# Allegro board BeagleBone AI -64_PCB_V1.02_211119.brd (continued)
## Copper pours and planes (outline as drawn; the poured copper is in the pictures) (continued)
VDA_PLL_1V8 on L8-PWR/GND: -9.77,64.57 -11.22,66.02 -25.95,66.02 -38.27,53.7 -38.27,36.17 -39.11,35.33 -43.33,35.33 -44.55,36.55 -44.55,58.6 -30.55,72.59 -11.96,72.59 -7.94,68.58 -7.94,64.92 -8.3,64.57
VDA_PLL_1V8 on L12-SIGNAL: -12.99,48.52 -12.99,53.22 -12.13,54.08 -10,54.08 -9.77,53.86 -9.77,48.67 -9.92,48.52
VDA_USB_3V3 on TOP: 33.86,24.06 33.86,23.37 34.04,23.19 34.6,23.19 34.73,23.32 34.73,23.7 34.98,23.95 35.31,23.95 35.44,24.08 35.44,24.28 35.34,24.39 34.19,24.39
VSYS_3V3 on TOP: 38.21,29.59 38.21,31.04 37.78,31.47 37.78,32.77 37.6,32.95 36.84,32.95 36.63,32.74 36.63,31.24 36.94,30.94 37.62,30.94 37.93,30.63 37.93,29.59 37.98,29.54 38.16,29.54
VSYS_3V3 on TOP: 16.24,10.62 17.02,10.62 17.28,10.36 17.28,7.77 17.05,7.55 16.39,7.55 16.08,7.85 16.08,9.55 15.93,9.7 15.93,10.31
VSYS_3V3 on TOP: 17.51,24.61 17.02,24.61 16.77,24.36 16.77,23.88 16.47,23.57 14.69,23.57 14.2,23.09 14.2,22.48 13.98,22.25 12.96,22.25 12.83,22.12 12.83,21.34 12.91,21.26 14.89,21.26 16.08,22.46 17.05,22.46 17.53,22.94 17.91,22.94 18.12,23.14 18.12,24.56 18.07,24.61 17.91,24.61 17.89,24.59 17.89,24.06 17.84,24 17.63,24 17.58,24.06 17.58,24.54
VSYS_3V3 on TOP: 40.27,57.58 40.27,59.03 39.83,59.46 39.83,60.76 39.66,60.94 38.89,60.94 38.69,60.73 38.69,59.23 39,58.93 39.68,58.93 39.99,58.62 39.99,57.58 40.04,57.53 40.21,57.53
VSYS_3V3 on TOP: 44.84,25.78 44.05,25.78 43.97,25.71 43.97,25.58 44.05,25.5 46.01,25.5 46.39,25.12 47.3,25.12 47.53,25.35 47.53,26.24 47.4,26.37 45.42,26.37
VSYS_3V3 on TOP: 42.63,22.1 42.5,22.1 42.42,22.02 42.42,21.49 42.25,21.31 42.25,20.45 42.4,20.3 42.4,18.9 42.55,18.75 43.36,18.75 43.52,18.9 43.52,20.3 42.7,21.11 42.7,22.02
VSYS_3V3 on TOP: 44.48,57.56 44.48,58.6 44.15,58.93 44.15,60.66 44.28,60.78 45.12,60.78 45.29,60.61 45.29,59.08 44.76,58.55 44.76,57.56 44.68,57.48 44.56,57.48
VSYS_3V3 on TOP: 30.41,16.13 30.21,15.93 30.21,13.95 30.41,13.74 32.11,13.74 32.29,13.92 32.29,15.95 32.11,16.13
VSYS_3V3 on TOP: 44.68,50.09 44.56,50.09 44.48,50.01 44.48,49.48 44.3,49.3 44.3,48.44 44.46,48.29 44.46,46.89 44.61,46.74 45.42,46.74 45.57,46.89 45.57,48.29 44.76,49.1 44.76,50.01
VSYS_3V3 on TOP: 35.57,39.68 38.92,39.68 39.12,39.47 39.12,38.3 38.92,38.1 37.06,38.1 36.89,38.28 36.89,38.97 37.09,39.17 37.62,39.17 37.67,39.22 37.67,39.37 37.6,39.45 35.54,39.45 35.49,39.5 35.49,39.6
VSYS_3V3 on TOP: 46.89,53.77 46.11,53.77 46.03,53.7 46.03,53.57 46.11,53.49 48.06,53.49 48.44,53.11 49.36,53.11 49.59,53.34 49.59,54.23 49.46,54.36 47.48,54.36
VSYS_3V3 on TOP: -21.3,17.93 -21.61,17.93 -21.74,17.81 -21.74,16.46 -21.46,16.18 -20.77,16.18 -20.49,16.46 -20.49,17.1 -20.69,17.3 -20.69,17.88 -20.75,17.93 -20.85,17.93 -20.9,17.88 -20.9,17.32 -20.92,17.3 -21.18,17.3 -21.2,17.32 -21.2,17.83
VSYS_3V3 on TOP: 39.66,46.76 38.79,46.76 38.56,46.99 38.56,48.26 38.89,48.59 39.35,48.59 39.99,49.23 39.99,50.12 40.06,50.19 40.19,50.19 40.27,50.12 40.27,49.51 40.47,49.3 40.47,48.87 39.83,48.24 39.83,46.94
VSYS_3V3 on TOP: 42.42,29.59 42.42,30.63 42.09,30.96 42.09,32.69 42.22,32.82 43.06,32.82 43.24,32.64 43.24,31.12 42.7,30.58 42.7,29.59 42.63,29.52 42.5,29.52
VSYS_3V3 on TOP: 37.6,18.75 36.73,18.75 36.51,18.98 36.51,20.25 36.84,20.58 37.29,20.58 37.93,21.21 37.93,22.1 38,22.18 38.13,22.18 38.21,22.1 38.21,21.49 38.41,21.29 38.41,20.85 37.78,20.22 37.78,18.92
VSYS_3V3 on BOTTOM: 39.66,46.74 38.06,46.74 37.67,47.12 37.67,50.83 37.47,51.03 37.14,51.03 36.99,51.18 36.99,51.54 37.14,51.69 37.34,51.69 37.52,51.87 37.52,56.64 38,57.13 38.89,57.13 39.1,56.92 39.1,55.86 39.2,55.75 39.2,49.35 39.33,49.23 40.01,49.23 40.21,49.02 40.21,48.46 39.88,48.13 39.88,46.97
VSYS_3V3 on BOTTOM: 45.35,57.91 45.35,60.71 45.17,60.89 44.41,60.89 44.2,60.68 44.2,58.68 44.76,58.12 44.76,57.81 44.86,57.71 45.14,57.71
VSYS_3V3 on BOTTOM: 42.48,18.95 42.48,20.37 42.25,20.6 42.25,22.33 43.77,23.85 45.02,23.85 45.29,24.13 45.29,24.82 44.81,25.3 44.81,26.16 45.02,26.37 47.48,26.37 47.78,26.06 47.78,19.48 46.84,18.54 42.88,18.54
VSYS_3V3 on BOTTOM: 36.63,39.68 38.89,39.68 39.15,39.42 39.15,38.2 38.92,37.97 36.63,37.97 36.33,38.28 36.33,39.37
VSYS_3V3 on BOTTOM: -19.86,15.17 -20.42,15.17 -20.49,15.09 -21,15.09 -21.66,15.75 -21.66,16.66 -21.46,16.87 -20.36,16.87 -20.16,16.66 -20.16,16.16 -19.7,15.7 -19.7,15.32
VSYS_3V3 on BOTTOM: -31.54,48.74 -32.4,48.74 -32.76,49.1 -32.76,50.93 -32.48,51.21 -32.48,52 -32.25,52.22 -31.82,52.22 -31.24,51.64 -31.24,49.05
VSYS_3V3 on BOTTOM: 42.3,32.87 43.52,32.87 43.77,32.62 43.77,31.24 43.11,30.58 42.6,30.58 42.09,31.09 42.09,32.67
VSYS_3V3 on BOTTOM: 32.67,13.72 32.67,16.54 32.24,16.97 30.54,16.97 30.21,16.64 30.21,13.69 30.49,13.41 32.37,13.41
VSYS_3V3 on BOTTOM: 37.6,18.8 36.53,18.8 36.4,18.92 36.4,19.81 35.69,20.52 35.69,22.94 35.52,23.12 35.08,23.12 34.8,23.39 34.8,24.44 35.24,24.87 35.24,32.51 35.69,32.97 37.52,32.97 37.73,32.77 37.73,30.66 36.56,29.49 36.56,24.97 36.73,24.79 36.73,23.95 36.58,23.8 36.58,21.34 36.76,21.16 38.26,21.16 38.44,20.98 38.44,20.83 37.8,20.19 37.8,19
VSYS_3V3 on L3-SIGNAL: 35.34,25.99 44.02,25.99 44.51,26.47 47.45,26.47 47.86,26.06 47.86,17.76 46.69,16.59 37.47,16.59 33.66,12.78 30.18,12.78 29.7,13.26 29.7,15.83 31.83,17.96 41.18,17.96 41.79,18.57 41.79,20.27 40.21,21.85 35.49,21.85 34.73,22.61 34.73,25.38
VSYS_3V3 on L3-SIGNAL: -15.92,66.22 -18.23,66.22 -19.53,67.51 -19.53,72.26 -19.22,72.57 -17.27,72.57 -16.81,72.11 -16.81,70.46 -15.67,69.32 -15.67,66.47
VSYS_3V3 on L7-PWR/GND: -26.08,74.73 20.15,74.73 20.89,73.99 20.89,69.5 22.28,68.1 53.42,68.1 53.6,67.92 53.6,26.57 52.25,25.22 46.39,25.22 43.62,27.99 37.34,27.99 36.56,28.78 36.56,32.59 36.84,32.87 45.95,32.87 46.49,33.4 46.49,36.73 45.19,38.03 36.43,38.03 34.8,39.65 34.8,52.45 36.28,53.93 47.33,53.93 47.76,54.36 49.41,54.36 49.56,54.21 49.56,53.34 50.3,52.6 52.08,52.6 52.66,53.19 52.66,56.29 50.45,58.5 24.39,58.5 23.93,58.95 23.93,61.09 22.23,62.79 18.8,62.79 12.88,68.71 -0.65,68.71 -3.07,71.12 -14.83,71.12 -22.85,63.1 -22.85,30.41 -15.08,22.63 13.29,22.63 13.85,23.19 16.69,23.19 24.09,15.8 35.9,15.8 36.79,16.69 36.79,20.09 37.8,21.11 39.07,21.11 39.88,20.3 41.18,20.3 42.09,21.21 43.16,21.21 43.9,20.47 43.9,12.4 42.4,10.9 8.46,10.9 3.21,16.16 -25.06,16.16 -30.5,21.59 -30.5,28.2 -39.87,37.57 -39.87,60.94 ; 1 cut-out
VSYS_3V3 on L8-PWR/GND: 52.33,23.93 49.79,26.47 44.94,26.47 42.88,24.41 40.16,24.41 37.4,21.64 33.25,21.64 32.14,20.52 22.89,20.52 17.02,14.66 13.67,14.66 13.29,14.28 13.29,7.88 14,7.16 50.37,7.16 52.33,9.12 ; 1 cut-out
VSYS_3V3 on L9-PWR/GND: -39.8,20.07 -40.28,20.07 -40.6,20.39 -40.6,23.38 -39.08,24.89 -39.08,28.7 -40.43,30.05 -40.43,33.68 -42.23,35.49 -42.23,44.76 -40.38,46.61 -33.04,46.61 -32.43,46 -32.43,41.56 -33.24,40.74 -35.3,40.74 -36.32,39.73 -36.32,36.68 -34.26,34.62 -34.26,21.97 -35.05,21.19 -38.68,21.19
VSYS_3V3 on L9-PWR/GND: 47.3,25.35 42.22,25.35 36.53,31.04 36.53,32.62 36.71,32.79 37.93,32.79 40.49,30.23 41.38,30.23 41.61,30.46 41.61,32.39 36.53,37.47 36.53,39.55 37.01,40.03 39,40.03 39.48,39.55 39.48,38.58 44.86,33.2 44.86,27.76 45.65,26.98 47.22,26.98 47.56,26.65 47.56,25.6
VSYS_5V0 on TOP: 5.11,13.95 6.33,13.95 6.81,13.46 6.81,11.28 6.61,11.08 5.49,11.08 5.11,11.46 5.11,11.84 4.73,12.22 4.73,13.57
VSYS_5V0 on TOP: 38.41,13.67 38.64,13.44 38.64,12.02 38.33,11.71 36.66,11.71 36.25,12.12 36.25,13.59 36.33,13.67
VSYS_5V0 on TOP: -41.14,14.38 -40.07,14.38 -39.39,15.06 -38.32,15.06 -38.14,14.89 -38.14,14.3 -38.32,14.12 -38.91,14.12 -39.41,13.62 -41.12,13.62 -41.32,13.82 -41.32,14.2
VSYS_5V0 on TOP: 19.84,14.71 19.74,14.61 19.74,14.28 19.64,14.17 17.79,14.17 17.58,13.97 17.58,12.6 17.94,12.24 20.68,12.24 21.22,11.71 21.22,9.12 21.88,8.46 28.89,8.46 29.67,9.25 29.67,17.2 28.81,18.06 25.99,18.06 25.48,17.55 25.48,15.62 26.63,14.48 26.63,11.3 26.35,11.03 23.15,11.03 22.71,11.46 22.71,14.15 22.16,14.71
VSYS_5V0 on BOTTOM: -34.03,18.75 -32.28,18.75 -32.02,18.49 -32.02,18.26 -31.77,18.01 -31.77,17.32 -32.23,16.87 -34.06,16.87 -34.54,17.35 -34.54,18.24
VSYS_5V0 on BOTTOM: 39.78,11.48 41.56,11.48 41.69,11.61 41.69,13.21 42.09,13.62 42.09,14.73 42.5,15.14 44.1,15.14 44.33,14.91 44.33,12.09 43.39,11.15 38.64,11.15 37.78,12.02 36.63,12.02 36.33,12.32 36.33,14.63 36.61,14.91 38.08,14.91 38.44,14.56 38.44,14.23 39.6,13.06 39.6,11.66
VSYS_5V0 on BOTTOM: 11.56,27 10.34,27 9.94,26.6 9.94,19.76 10.27,19.43 11.69,19.43 12.05,19.79 12.05,26.52
VSYS_5V0 on BOTTOM: 5.31,11.89 5.72,11.89 6.23,12.4 6.64,12.4 6.86,12.17 6.86,11.41 6.71,11.25 6.13,11.25 5.7,11.69 5.34,11.69 5.26,11.76 5.26,11.84
VSYS_5V0 on L3-SIGNAL: 27.62,12.73 20.22,12.73 18.78,14.17 18.78,22.43 19.34,22.99 21.85,22.99 22.38,22.46 22.38,21.44 28.33,15.5 28.33,13.44
VSYS_5V0 on L9-PWR/GND: 28.33,14.81 5.26,14.81 3.94,13.49 2.29,13.49 -0.93,16.71 -22.73,16.71 -23.92,17.91 -36.77,17.91 -39.21,15.47 -39.21,13.01 -37.84,11.63 -2.91,11.63 1.81,6.91 1.81,5.26 2.27,4.8 4.53,4.8 5.16,5.44 5.16,6.55 6.03,7.42 20.89,7.42 22.05,8.59 27.24,8.59 28.86,6.96 34.78,6.96 38.77,10.95 42.93,10.95 43.47,11.48 43.47,13.79 43.24,14.02 29.11,14.02
VSYS_5V0 on L10-SIGNAL: 40.87,10.47 40.87,8.59 39.25,6.96 28.86,6.96 27.25,8.57 22.04,8.57 20.89,7.42 18.35,7.42 17.71,8.05 17.71,13.9 18.68,14.86 22.1,14.86 22.31,14.66 22.31,13.77 22.05,13.51 22.05,13.03 22.21,12.88 24.67,12.88 26.57,14.78 28.58,14.78 32.42,10.95 35.72,10.95 36.1,11.33 36.1,13.72 36.58,14.2 43.19,14.2 43.47,13.92 43.47,11.63 42.98,11.15 41.56,11.15
VSYS_5V0 on L12-SIGNAL: 9.94,19.38 19.89,19.38 22.1,21.59 22.1,22.79 21.32,23.57 14.48,23.57 13.19,22.28 9.68,22.28 9.3,21.9 9.3,20.02
VSYS_IO_1V8 on BOTTOM: 32.98,28.75 32.98,29.69 32.52,30.15 30,30.15 29.7,29.85 29.7,28.96 29.95,28.7 32.92,28.7
VSYS_IO_1V8 on L5-SIGNAL: 21.19,60.94 19.74,60.94 19.49,61.19 18.47,61.19 18.27,61.39 18.27,67.59 19.64,68.96 30.94,68.96 32.59,67.31 32.59,64.19 31.63,63.22 22.43,63.22 22.1,62.89 22.1,61.85
VSYS_IO_1V8 on L5-SIGNAL: -10.56,51.74 -21.79,51.74 -22.04,51.49 -22.04,50.78 -21.76,50.5 -10.53,50.5 -10.2,50.83 -10.2,51.39
VSYS_IO_1V8 on L8-PWR/GND: -3.47,53.19 -2.86,53.8 -2.86,60.99 2.24,66.09 21.32,66.09 22,65.41 22,61.75 21.72,61.47 21.16,61.47 20.55,60.86 20.55,56.64 19.95,56.03 16.87,56.03 13.42,52.58 -0.27,52.58 -0.93,51.92 -0.93,50.55 -1.39,50.09 -21.58,50.09 -21.91,50.42 -21.91,50.98 -19.7,53.19
VSYS_IO_1V8 on L10-SIGNAL: 31.53,64.54 30.84,64.54 29.98,63.68 29.98,60.89 30.23,60.63 31.05,60.63 31.98,61.57 32.19,61.57 33.13,62.51 33.13,62.94
VSYS_IO_1V8 on L10-SIGNAL: 32.04,28.65 29.83,28.65 29.39,29.08 29.39,30.76 34.88,36.25 39.22,36.25 39.73,36.76 51.01,36.76 51.72,36.04 51.72,35.49 50.45,34.22 50.45,32.23 49.49,31.27 38.72,31.27 37.19,29.74 33.13,29.74
VSYS_IO_1V8 on L12-SIGNAL: 30.92,64.26 30.92,66.32 31.53,66.93 41.15,66.93 46.74,72.52 50.43,72.52 52.48,70.46 52.48,35.38 51.95,34.85 48.09,34.85 46.67,36.27 46.67,43.11 48.19,44.63 48.19,63.17 47.33,64.03 43.97,64.03 43.49,63.55 31.63,63.55
VSYS_IO_3V3 on TOP: 11.36,67.82 11.36,69.8 11,70.16 9.86,70.16 9.28,70.74 9.12,70.74 9.05,70.66 9.05,68.68 9.18,68.56 9.53,68.56 10.45,67.64 11.18,67.64
VSYS_IO_3V3 on TOP: -15.67,69.55 -16.61,68.61 -16.61,66.47 -16.35,66.22 -15.44,66.22 -15.06,66.6 -15.06,68.18 -15.23,68.35 -15.23,68.86 -14.98,69.11 -14.98,70.82 -15.11,70.94 -15.56,70.94 -15.67,70.84
VSYS_IO_3V3 on TOP: 5.39,25.83 5.77,25.83 7.12,27.18 8.19,27.18 8.31,27.31 8.62,27.31 8.69,27.38 8.69,27.74 8.74,27.79 10.01,27.79 10.34,27.46 11.23,27.46 11.41,27.64 11.41,28.32 11.13,28.6 8.54,28.6 7.93,27.99 5.8,27.99 5.31,27.51 5.31,26.67 5.21,26.57 5.21,26.01
VSYS_IO_3V3 on TOP: 51.31,67.82 50.53,67.82 50.25,67.54 50.25,66.14 51.16,65.23 52.03,65.23 52.33,65.53 52.33,66.5 52.18,66.65 51.7,66.65 51.59,66.75 51.59,67.54
VSYS_IO_3V3 on TOP: 17.53,26.04 16.95,26.04 16.72,26.27 16.72,27.38 16.59,27.51 14.84,27.51 14.31,28.04 14.31,28.6 14.48,28.78 16.8,28.78 17.58,27.99 17.91,27.99 18.12,27.79 18.12,26.09 18.07,26.04 17.91,26.04 17.89,26.06 17.89,26.62 17.86,26.65 17.63,26.65 17.61,26.62 17.61,26.11
VSYS_IO_3V3 on TOP: 33.81,66.75 34.17,67.11 36.05,67.11 36.1,67.06 36.1,64.47 35.72,64.09 33.97,64.09 33.81,64.24
VSYS_IO_3V3 on TOP: 40.42,66.3 40.42,67.97 40.54,68.1 41,68.1 41.26,68.35 41.26,69.01 41.51,69.27 41.51,70.79 41.64,70.92 42.12,70.92 42.3,70.74 42.3,68.35 42.04,68.1 42.04,66.3 41.69,65.94 40.77,65.94
VSYS_IO_3V3 on BOTTOM: 24.01,62.79 23.91,62.69 23.91,61.72 24.16,61.47 24.16,61.11 23.98,60.94 23.98,60.58 24.14,60.43 24.52,60.43 25,60.91 25,62.69 24.9,62.79
VSYS_IO_3V3 on BOTTOM: 34.12,65.36 34.22,65.25 34.55,65.25 34.68,65.13 34.68,64.47 34.12,63.91 32.9,63.91 32.32,64.49 32.32,65.23 32.8,65.71 32.8,66.22 33.33,66.75 33.61,66.75 33.64,66.73 33.64,65.36 33.66,65.33 33.79,65.33 33.84,65.38 33.84,66.68 33.92,66.75 33.99,66.75 34.12,66.63
VSYS_IO_3V3 on BOTTOM: 16.77,19.56 16.03,19.56 15.88,19.71 15.88,27.2 15.58,27.51 10.52,27.51 10.39,27.64 10.39,28.5 10.62,28.73 16.24,28.73 17.15,27.81 17.15,19.94
VSYS_IO_3V3 on BOTTOM: 52.43,66.78 52.43,65.03 52.18,64.77 51.11,64.77 50.86,65.03 50.86,66.88 50.91,66.93 51.09,66.93 51.11,66.91 51.11,65.38 51.14,65.36 51.34,65.36 51.37,65.38 51.37,66.83 51.47,66.93 52.28,66.93
VSYS_IO_3V3 on BOTTOM: -16.61,65.46 -16.61,67.24 -16.38,67.46 -15.69,67.46 -15.49,67.26 -15.49,65.43 -15.69,65.23 -16.38,65.23
VSYS_IO_3V3 on L3-SIGNAL: -12.71,43.62 -12.71,46.92 -12.64,47 -11.32,47 -10.81,46.49 -10.81,44 -11.39,43.42 -12.51,43.42
VSYS_IO_3V3 on L5-SIGNAL: 2.44,64.7 10.12,64.7 11.56,66.14 11.56,69.55 10.75,70.36 8.62,70.36 8.11,69.85 8.11,68.4 7.58,67.87 2.44,67.87 1.96,67.39 1.96,65.18
VSYS_IO_3V3 on L5-SIGNAL: -42.39,49.35 -41.9,49.35 -40.89,48.34 -31.79,48.34 -31.13,47.68 -30.47,47.68 -29.99,48.16 -29.05,48.16 -28.82,47.93 -21.79,47.93 -20.75,46.89 -20.75,44.63 -21.15,44.22 -21.89,44.22 -23.72,46.05 -31.18,46.05 -32.12,46.99 -37.43,46.99 -38.42,46 -38.55,46 -38.42,45.87 -34.26,45.87 -33.85,45.47 -33.85,43.87 -34.08,43.64 -34.49,43.64 -35.45,44.6 -35.81,44.6 -37.15,43.26 -40.89,43.26 -41.88,44.25 -41.88,47.7 -42.08,47.91 -42.44,47.91 -42.61,48.08 -42.61,49.13
VSYS_IO_3V3 on L8-PWR/GND: 41.84,63.7 32.82,63.7 32.06,62.94 32.06,60.15 31.4,59.49 28.61,59.49 28.38,59.72 28.38,64.85 30.79,67.26 35.26,67.26 36.25,68.25 40.98,68.25 43.44,65.79 49.26,65.79 50.32,66.85 51.8,66.85 52.2,66.45 52.2,62.97 51.75,62.51 43.03,62.51
VSYS_IO_3V3 on L8-PWR/GND: -0.07,49.89 20.2,49.89 25.28,54.97 25.28,61.57 24.87,61.98 23.3,61.98 21.88,60.56 21.88,56.8 19.18,54.1 15.63,54.1 13.81,52.29 4.41,52.29 4.4,52.27 0.23,52.27 -0.55,51.49 -0.55,50.37
VSYS_IO_3V3 on L9-PWR/GND: outline of 88 points within -44.24,5.01 52.71,68.4
VSYS_IO_3V3 on L10-SIGNAL: -26.89,39.17 -27.65,39.17 -27.93,39.45 -27.93,44.22 -27.48,44.68 -26.18,44.68 -25.83,44.32 -25.83,42.98 -26.28,42.52 -26.28,39.78
VSYS_IO_3V3 on L10-SIGNAL: -24.89,22.86 -24.05,22.86 -23.34,23.57 -23.34,30.63 -22.5,31.47 -22.5,41.66 -22.29,41.86 -21.36,41.86 -21.05,41.56 -19.88,41.56 -19.75,41.68 -19.75,44.48 -20.16,44.88 -21.46,44.88 -22.63,43.71 -24.07,43.71 -25.29,42.5 -25.29,23.27
VSYS_IO_3V3 on L10-SIGNAL: 10.8,60.73 10.8,64.11 8.92,65.99 8.24,65.99 7.07,64.82 7.07,62.64 9.56,60.15 10.22,60.15
N31698113 on BOTTOM: 23.27,13.08 29.34,13.08 29.51,12.92 29.51,12.46 30.05,11.91 32.44,11.91 32.59,11.76 32.59,9.27 32.09,8.76 23.32,8.76 22.79,9.3 22.79,12.6
GND on L3-SIGNAL (solid shape): 23.35,45.56 23.41,45.57 23.49,45.53 23.59,45.52 23.68,45.53 23.76,45.56 23.82,45.56 23.83,45.5 23.83,45.48 23.82,45.45 23.82,45.17 23.39,44.74 23.36,44.68 23.35,44.62 23.35,44.4 23.25,44.32 23.11,44.32 23.06,44.36 23,44.4 22.94,44.41 22.92,44.41 22.85,44.48 22.85,44.75 23.29,45.19 23.33,45.25 23.34,45.31 23.34,45.46 23.34,45.48 23.33,45.51
GND on L3-SIGNAL (solid shape): 19.26,46.46 19.3,46.34 19.38,46.23 19.38,46.11 19.29,45.99 19.25,45.85 19.26,45.78 19.28,45.73 19.29,45.69 19.23,45.64 19.11,45.76 19.12,45.85 18.79,46.18 18.45,45.85 18.46,45.79 18.48,45.73 18.49,45.7 18.43,45.64 18.31,45.76 18.32,45.85 18.29,45.97 18.22,46.08 18.2,46.1 18.2,46.21 18.24,46.24 18.31,46.34 18.34,46.46 18.34,46.51 19.25,46.51

Small or netless copper shapes (teardrops, artwork), in the pictures only: 3 on L3-SIGNAL, 1 on BOTTOM

## Text on the board
Ref Des/Assembly Bottom: BOTTOM ASSEMBLY | BeagleBone AI TDA4VM BOTTOM ASSEMBLY REV1.0
Ref Des/Silkscreen Bottom: EEP_WP | GND | WKUP UT0 | UART0 | 45 | 46 | V1.0 | 2 | 1 | E3 | E4 | E1 | E2 | Debug | USB Type C | mikroBUS | RST | BOOT | PWR | ETH | USB3.0 | Mini DP | DC Jack | PCIe M.2 Key E | BeagleBone AI -64
User.Comments: BOARD NAME: | BeagleBone AI -64 | REV: 1.0 | DATE: 11/19/2021 | DESCRIPTION: | SHEET | OF | 19 | SCALE: 1 | TEXAS INSTRUMENTS | CR_UNNAMED_3 | CR_PMIC_2 | CR_1_2
Ref Des/Assembly Top: TOP ASSEMBLY | BeagleBone AI TDA4VM TOP ASSEMBLY REV1.0
Ref Des/Silkscreen Top: JTAG | MicroSD | FAN | CSI0 | CSI1 | DSI
PAGE_OUTLINE: 15. | 17. | 16. | PCB SHALL BE MANUFACTURED USING I-SPEED OR EQUIVALENT. | ENSURE THAT UL REGISTERED E-FILE NUMBER SHALL BE PRINTED ON PCB SILKSCREEN. | FOR DETAILED STACKUP REFER "BeagleBone AI TDA4VM StackUp". | ALL THE IMPEDANCE SHALL BE MATCHED AS PER IMPEDANCE TABLE WITH +/-10% TOLERANCE. | ALL UNCONNECTED VIA'S SHALL BE SUPPRESSED IN INTERNAL LAYERS. | ALL VIA HOLES SHALL BE FILLED AND CAP PLATED AS PER TYPE VII REQUIREMENT. | LAYERS STACKUP | L12 INNER | L13 INNER | L14 BOTTOM | L11 INNER | L10 INNER | L4 INNER | L2 INNER | L5 INNER | L9 INNER | L3 INNER | L6 INNER | L7 INNER | PREPREG | L8 INNER | TOP | L11INNER | L10INNER | LAYER | MATERIAL | COPPER | FR4 | THICKNESS | 3mil | 8.2mil | 4.3mil | 6.7mil | 1 OZ | 0.5 OZ | LAYER TYPE | ROUTING | PLANE | SINGLE 38ohm+/-10% | Line width(mil) | W:6.8 | W:9.9 | SINGLE 40ohm+/-10% | W:10.4 | W:6.25 | SINGLE 50ohm+/-10% | IMPEDANCE | W:5 | W:4 | W:6.5 | DIFFERENCE 76ohm+/-10% | Line width/Space(mil) | W:6.4/S:5.6 | DIFFERENCE 80ohm+/-10% | W:5.93/S:6.07 | W:6.56/S:4.94 | DIFFERENCE 85ohm+/-10% | W:5.35/S:6.15 | W:6/S:5.5 | DIFFERENCE 90ohm+/-10% | W:5.1/S:5.4 | W:4.82/S:6.18 | DIFFERENCE 100ohm+/-10% | W:4.07/S:7.93 | W:4.18/S:6.32 | LAYOUT BY | SIGNATURES | DATE | 111921 | SIZE | SCALE: | D | NONE | SHEET 1 OF 19 | 1.0 | Rev | DETAIL-A | TEXAS INSTRUMENTS | BeagleBone AI -64 | LAYERS LAMINATION & IMPEDANCE CONTROL | THE TOTAL THICKNESS:2.0mm+/-10%
DISPLAY_TOP: 2
User.11: PROC079 TOP ASSEMBLY REV.E2
User.12: PROC079 TOP ASSEMBLY REV.E2
User.15: 5 | 8 | 16 | 10 | 66 | 6 | 2 | 40 | 39 | 3 | 4 | 9 | 32 | 7 | 25 | 17 | 24 | 67 | 88 | 22 | 45 | 44 | 23 | 18 | 13 | 19 | 12 | 14
User.16: REVISIONS | APPROVED | DATE | DESCRIPTION | REV | ZONE | 2X(R0.80) | 4X(1.70) | PCB | 0.00 MIN (FLUSH TO PCB EDGE) | 0.50 MAX (INTRUSION) | 1 | 2X(1.70) | BREAK OFF RUNNER | THIS DRAWING CONTAINS INFORMATION | 180-13449-**** REV B01 | WHICH IS THE PROPRIETARY PROPERTY | OF NVIDIA CORPORATION.THIS DRAWING | LAYER: SILKTOP | IS RECEIVED IN CONFIDENCE AND ITS | CONTENTS MAY NOT BE DISCLOSED | SHEET 3 OF 14 | WITHOUT THE PRIOR WRITTEN CONSENT | OF NVIDIA CORPORATION. | DATE: 2019/05/08 | ALL NVIDIA DESIGN SPECIFICATIONS, REFERENCE SPECIFICATIONS, | REFERENCE BOARDS, FILES, DRAWINGS, DIAGNOSTICS, LISTS AND | OTHER DOCUMENTS OR INFORMATION (TOGETHER AND SEPARATELY, | "MATERIALS") ARE BEING PROVIDED "AS IS." THE MATERIALS MAY | CONTAIN KNOWN AND UNKNOWN VIOLATIONS OR DEVIATIONS OF | INDUSTRY STANDARDS AND SPECIFICATIONS.  NVIDIA MAKES NO | WARRANTIES, EXPRESSED, IMPLIED, STATUTORY OR OTHERWISE WITH | RESPECT TO THE MATERIALS OR OTHERWISE, AND EXPRESSLY | DISCLAIMS ALL IMPLIED WARRANTIES INCLUDING, WITHOUT | LIMITATION, THE WARRANTIES OF DESIGN, OF NONINFRINGEMENT, | MERCHANTABILITY OR FITNESS FOR A PARTICULAR PURPOSE, OR | ARISING FROM A COURSE OF DEALING, TRADE USAGE, TRADE | PRACTICE, OR INDUSTRY STANDARDS. | NOTES UNLESS OTHERWISE SPECIFIED: | SEE DETAIL FOR TAB DESCRIPTION. | REMOVE BREAKAWAY TAB AFTER ASSEMBLY. | 2 | PLEASE REFER TO STACKUP/IMPEDANCE TABLE IN P/N 607-13449-1000-B01 | 'MATERIALS') ARE BEING PROVIDED 'AS IS.' THE MATERIALS MAY | MATERIAL | NVIDIA Corporation | UNLESS OTHERWISE SPECIFIED | 2788 San Tomas Expy., Santa Clara CA 95051 USA | DIMENSIONS ARE IN MM | FINISH | TOLERANCES ARE: | DECIMALS | ANGLES | FRACTIONS | + | .X | .2 | THIS DRAWING CONTAINS INFORMATION WHICH IS THE | - | .13 | .XX | PROPRIETARY PROPERTY OF NVIDIA CORPORATION. | THIS DRAWING IS RECEIVED IN CONFIDENCE AND | SIZE | DWG NO | FSCM NO | ITS CONTENT MAY NOT BE DISCLOSED WITHOUT THE | D | DO NOT SCALE DRAWING | PRIOR WRITTEN CONSENT OF NVIDIA CORPORATION. | C 1998-2019 NVIDIA CORPORATION  DO NOT DUPLICATE | SCALE: NONE | ALLEGRO DBASE | ASSEMBLY DRAWING TOP | P3449 | SHT 1 OF 14 | B01 | 608-13449-1000 | ROUTING TAB STUB DETAIL | PCB TO PCB TYP | PCB TO RUNNER TYP
User.19: J92 | J37 | 1 | U7 | J41 | AM57X | U78 | U4 | U2 | U37 | P9 | U3 | P8 | J42 | BeagleBone AI RevA2 | USB Host | U14 | POWER | PWR | RESET | USER LEDS | D1 | D3 | D2 | D4 | D5 | D8 | TYPE C
User.21: 19 | 1 | 2 | 20 | J90 | J91 | U11 | P2 | TP4 | TP2 | TP5 | TP7 | TP1 | microSD Card | TP3 | TP11
User.22: RPi CAM CONN2 | PWR OFF HDR | USER PB | USB PD HDR | VBUS_USBC | MAIN_CAN9 | MAIN_CAN5 | D | DGND | PORZ | CPLD JTAG HDR | USB C PWR | C | RPi CAM CONN1 | FAN HDR | E | VDD_2V5 | J | PCIe M.2 | VCC_1V1 | E KEY | B | USB1 | PWR LED | F | G | PMIC HDR | USB TYPE A+C | MCU_RGMII | QP UART | VDD_DDR_1V8 | MCU_CAN0 | MAIN_CAN0 | SOC JTAG HDR | USER LED | A | VDD_CPU_AVS | VSYS_3V3 | RPi HDR | CPLD BM CTL | uSD CARD | DP+HDMI | TDA4VM EDGE AI KIT | PCB#: PROC112E1 | OPN# | J721EXSKG01EVM | SL#
User.23: F | G | TA HDR | E | D | C | PCIe M.2 M key | B | A | M | L | N | CSI2-EXP | uSD CARD CONN | ASSY# | NOT FCC APPROVED FOR RESALE | FOR EVALUATION ONLY; | SL#
User.45: J3 | E | U101 | R99 | R178 | R13 | C210 | U30 | D1 | C490 | R155 | Y6 | R146 | C492 | C486 | J5 | J1 | TP90 | TP91 | J12 | FL29 | C570 | J13 | C68 | R204 | G | F | B | H | C236 | A | C244 | J2 | R234 | C411 | FL28 | C | C273 | C284 | C523 | FL21 | C295 | FL24 | C348 | FL22 | C313 | C369 | TP89 | TP88 | J9 | FL23 | C296 | FL25 | C314 | C349 | C370 | J8 | J4 | C233 | R454 | R515 | C408 | C409 | C203 | R491 | R492 | R270 | C353 | C367 | R465 | C360 | R282 | C446 | R284 | C361 | C368 | C377 | R521 | R95 | U22 | C354 | C371 | R283 | C358 | C451 | C425 | C208 | R169 | R171 | C204 | C355 | R476 | U107 | R276 | C551 | C359 | C415 | C509 | R467 | R279 | R272 | C496 | R277 | C414 | U102 | R278 | R466 | R522 | R235 | R239 | R509 | R230 | R227 | R273 | C338 | C500 | C502 | C389 | R510 | R274 | R275 | C287 | C301 | C323 | C345 | C288 | C289 | R525 | C393 | R524 | C290 | C388 | C384 | C565 | R516 | R232 | R198 | C317 | C308 | C304 | C375 | C381 | C307 | C383 | C276 | C282 | C286 | C319 | C453 | C450 | C292 | C305 | C309 | C310 | C434 | C396 | C277 | C283 | C291 | R264 | C385 | C480 | C311 | C299 | C278 | R247 | R205 | R219 | R220 | R221 | R222 | R262 | C462 | C460 | C461 | C443 | R229 | C321 | C329 | C335 | C342 | R281 | R226 | R224 | C407 | R214 | R255 | R206 | C445 | R245 | R250 | R244 | R249 | R251 | C322 | C330 | C336 | C343 | R223 | R240 | C331 | C337 | C344 | C315 | U23 | U25 | C274 | R203 | R213 | C412 | C533 | C424 | C532 | R207 | C467 | C466 | R188 | R189 | R190 | R191 | R193 | R195 | C350 | C326 | C531 | C356 | C363 | C536 | C318 | C376 | R194 | R196 | R197 | R199 | R200 | R212 | C357 | C364 | C413 | C327 | U24 | C365 | R253 | C542 | C328 | C334 | C333 | C449 | C366 | C569 | C568 | C567 | R523 | R287 | R288 | R233 | R210 | C306 | C427 | C554 | C211 | C485 | R160 | R102 | C491 | C69 | R242 | R243 | C571 | C562 | R218 | FL18 | R217 | R209 | C242 | R215 | C243 | FL16 | FL19 | C402 | C403 | R237 | FL26 | C410 | C245 | C237 | R238 | C404 | C405 | FL17 | FL20 | FL27 | C238 | C246 | TP57 | C247 | C239 | TP61 | TP58 | TP62 | TP59 | TP60 | R176 | R252 | C527 | R225 | C522 | C519 | C524 | TP50 | TP46 | TP47 | C528 | TP48 | TP51 | TP49 | TP54 | TP52 | TP53 | TP56 | TP55 | C229 | C556 | C232 | C230 | C228 | R463 | C442 | R464 | C549 | C550 | C558 | R462 | C555 | R485 | R269 | R486 | R170 | C494 | R517 | R519 | C482 | C566 | C362 | C380 | C503 | C382 | R493 | C372 | C416 | C505 | C417 | C510 | C418 | C506 | C557 | C419 | C511 | C420 | C498 | C421 | C497 | C422 | C508 | C423 | C373 | C387 | C391 | R180 | C394 | C312 | C395 | C374 | C386 | C216 | C261 | C392 | C217 | C397 | C262 | C252 | C302 | C253 | C263 | C398 | C258 | C218 | C264 | C303 | C399 | C219 | C265 | C255 | C400 | C266 | C254 | C341 | C267 | C256 | C268 | R228 | C257 | C269 | C259 | C270 | C271 | R192 | C390 | C430 | C298 | C220 | C294 | C212 | C221 | C431 | C279 | C213 | C432 | R236 | C435 | C439 | C436 | C441 | C433 | C297 | C280 | C222 | C223 | C275 | C285 | C224 | C214 | C225 | C293 | C215 | C281 | C226 | C227 | R201 | R254 | R241 | R216 | R202 | C444 | R208 | C401 | C406 | C316 | C516 | C339 | C517 | C537 | C378 | C332 | C346 | C300 | C530 | C535 | C324 | C437 | C428 | C452 | C351 | C438 | R495 | C429 | C440 | C320 | C340 | C352 | C540 | C379 | C325 | BOARD NAME: | TDA4VM EDGE AI KIT | GROUND-PLANE-05 | GROUND-PLANE-06 | INNER-SIGNAL-4 | INNER-SIGNAL-6 | INNER-SIGNAL-5 | J721EX SOM 941x PMIC BRD | REV: E1 | DATE: 16/03/2021 | DESCRIPTION: | SHEET | REV: E5 | DATE: 03/06/2019 | OF | 19 | PROC112 | BOTTOM ASSEMBLY | 23 | PROC078 | 13 | 18 | 15 | 16 | 17 | SCALE: 1 | FIGURE | FINISHED_SIZE | 51.18x19.69 | 70.87x27.56 | 86.61x27.56 | 102.36x17.72 | 7.99 | 8.0 | 20.0 | 27.56 | 32.0 | 35.0 | 35.43 | 40.0 | 41.34 | 66.93 | 90.55 | 125.0 | 165.35 | 23.62 | 43.31 | 47.24 | 59.06 | 62.99 | 127.95 | ROTATION | 90.000 | 0.000 | - | SLOT HOLES: TOP to BOTTOM | ALL UNITS ARE IN MILS | DRILL CHART: TOP to BOTTOM | TOLERANCE_DRILL | +0.0/-0.0 | +3.0/-3.0 | +3.0/-4.0 | PLATED | NON-PLATED | QTY | 4 | 2 | 1 | 11 | 28 | 3060 | 10 | 6 | 5 | 14 | 3 | 8 | 3186 | TOTAL HOLES: | TEXAS INSTRUMENTS | 6 - Provide serial numbers to the assembled boards for identification. | 7 - The assembled board are wrapped in ESD Covers(individual) and packed securely before shipment. | 1 - All MSL components should be baked as per JEDEC standard. | 2 - PCB should be baked at 120 degree for 8 hours. | 3 - Board assembly must comply with workmanship standards IPC-A-610 Class 2, unless otherwise specified. | 4 - These assemblies are ESD sensitive, ESD precautions shall be observed. | 5 - These assemblies must be clean and free from flux and all contaminants. Use of no clean flux is not acceptable. | PROC112 E1 (001) ASSEMBLY TOP | PROC112  E1 (001) ASSEMBLY BOT | J721EX SOM 941x PMIC BOTTOM ASSEMBLY REV.E5
